# KiCad board Si5351ABreakout_panel.kicad_pcb
title: Si5351A Breakout; date: 10 Oct 2015; rev: A; company: Etherkit; note: Creative Commons Licence CC-BY-SA
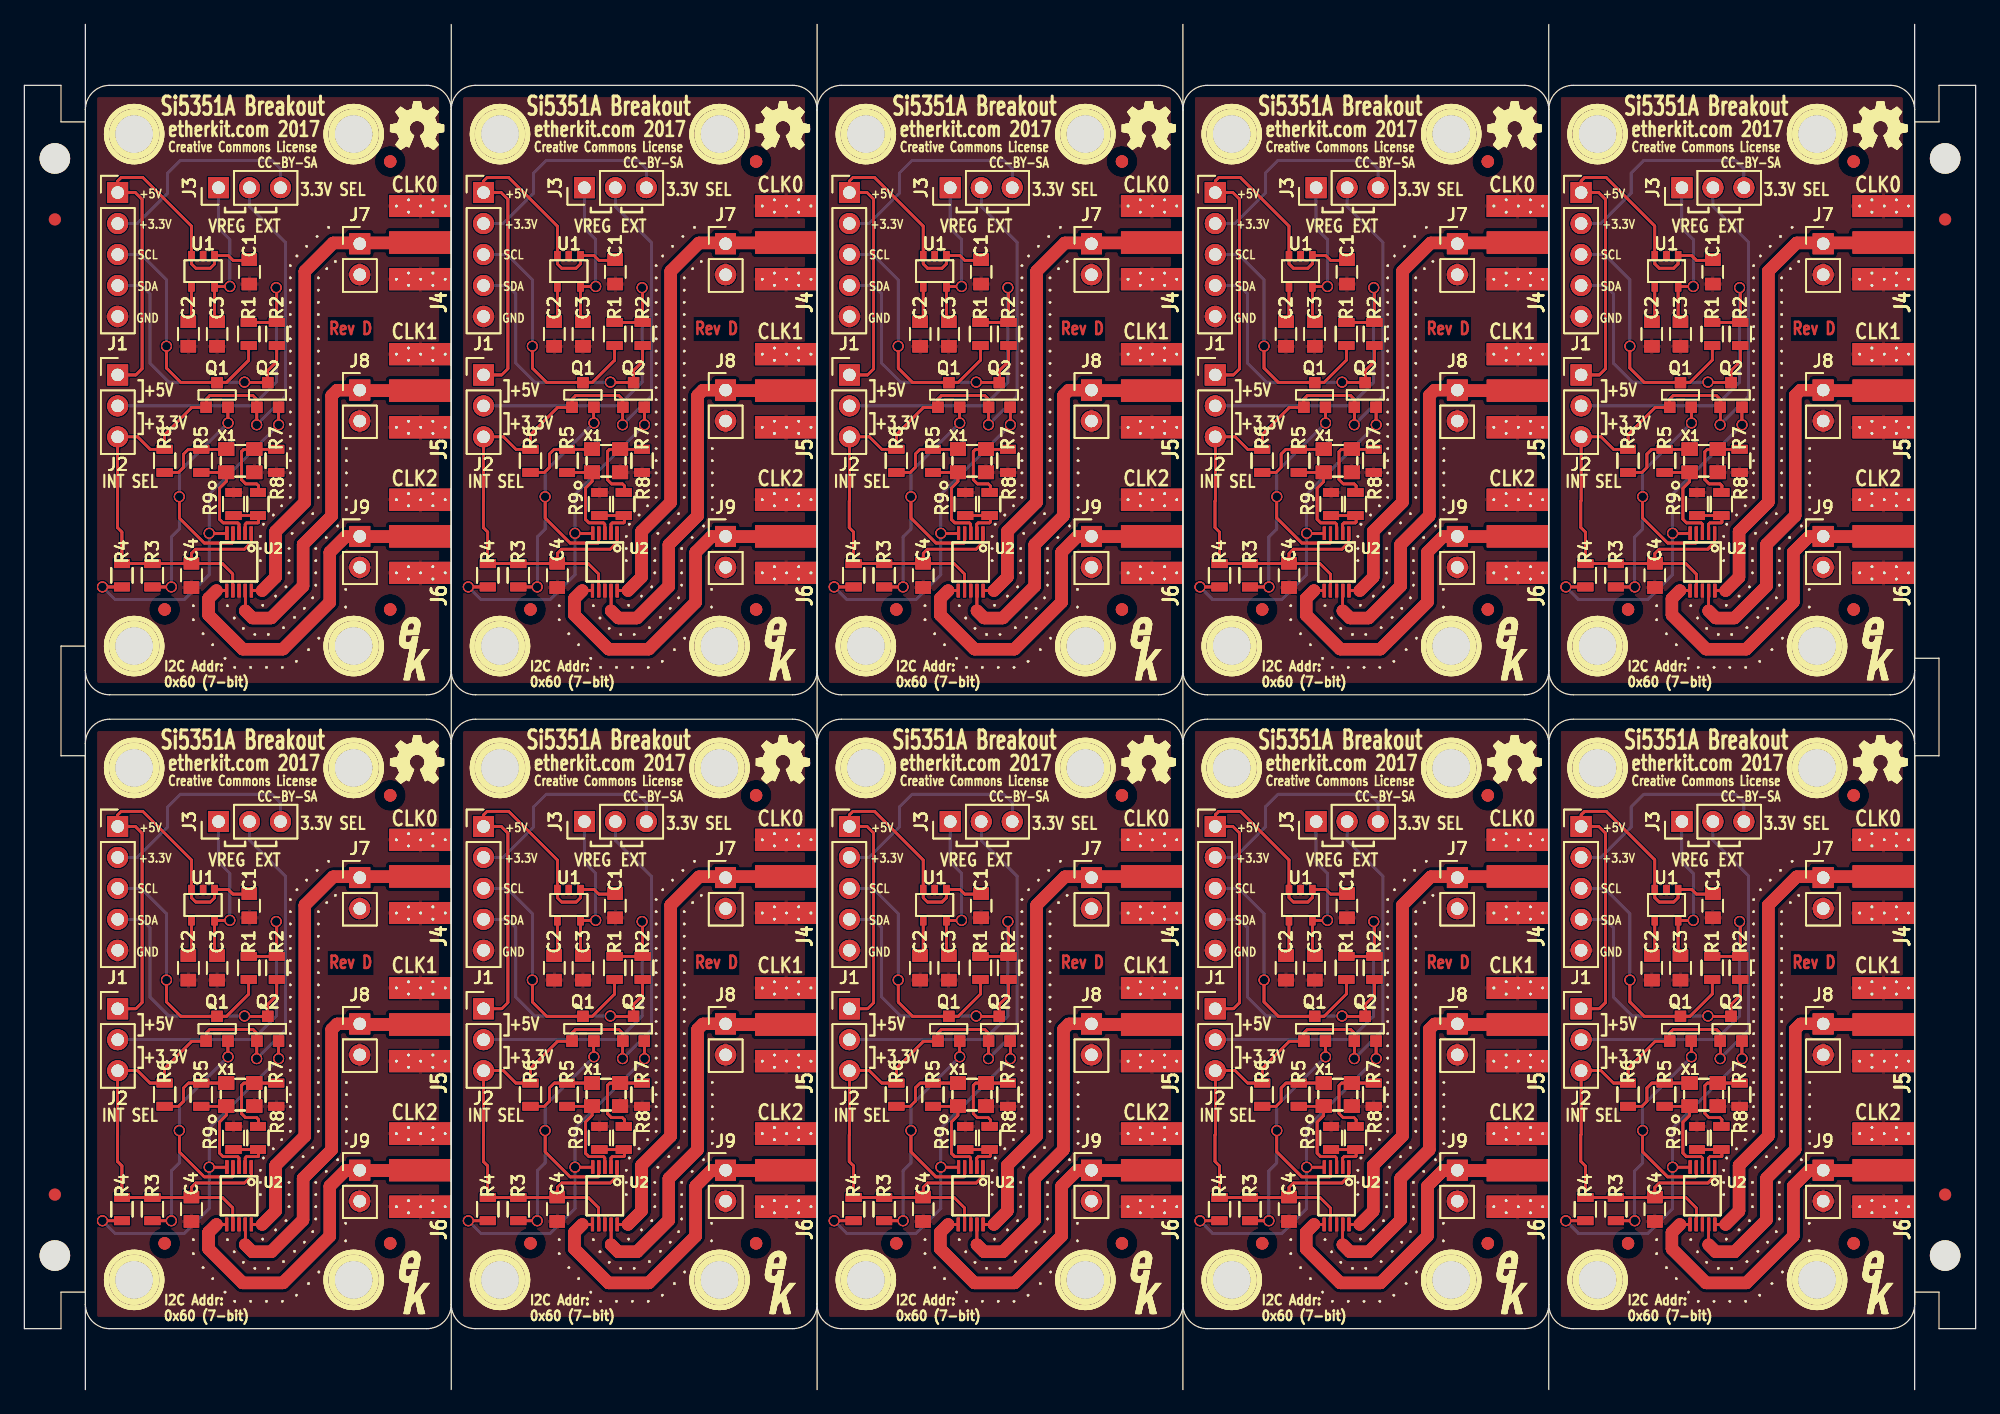
[diagram p0: board, top side]
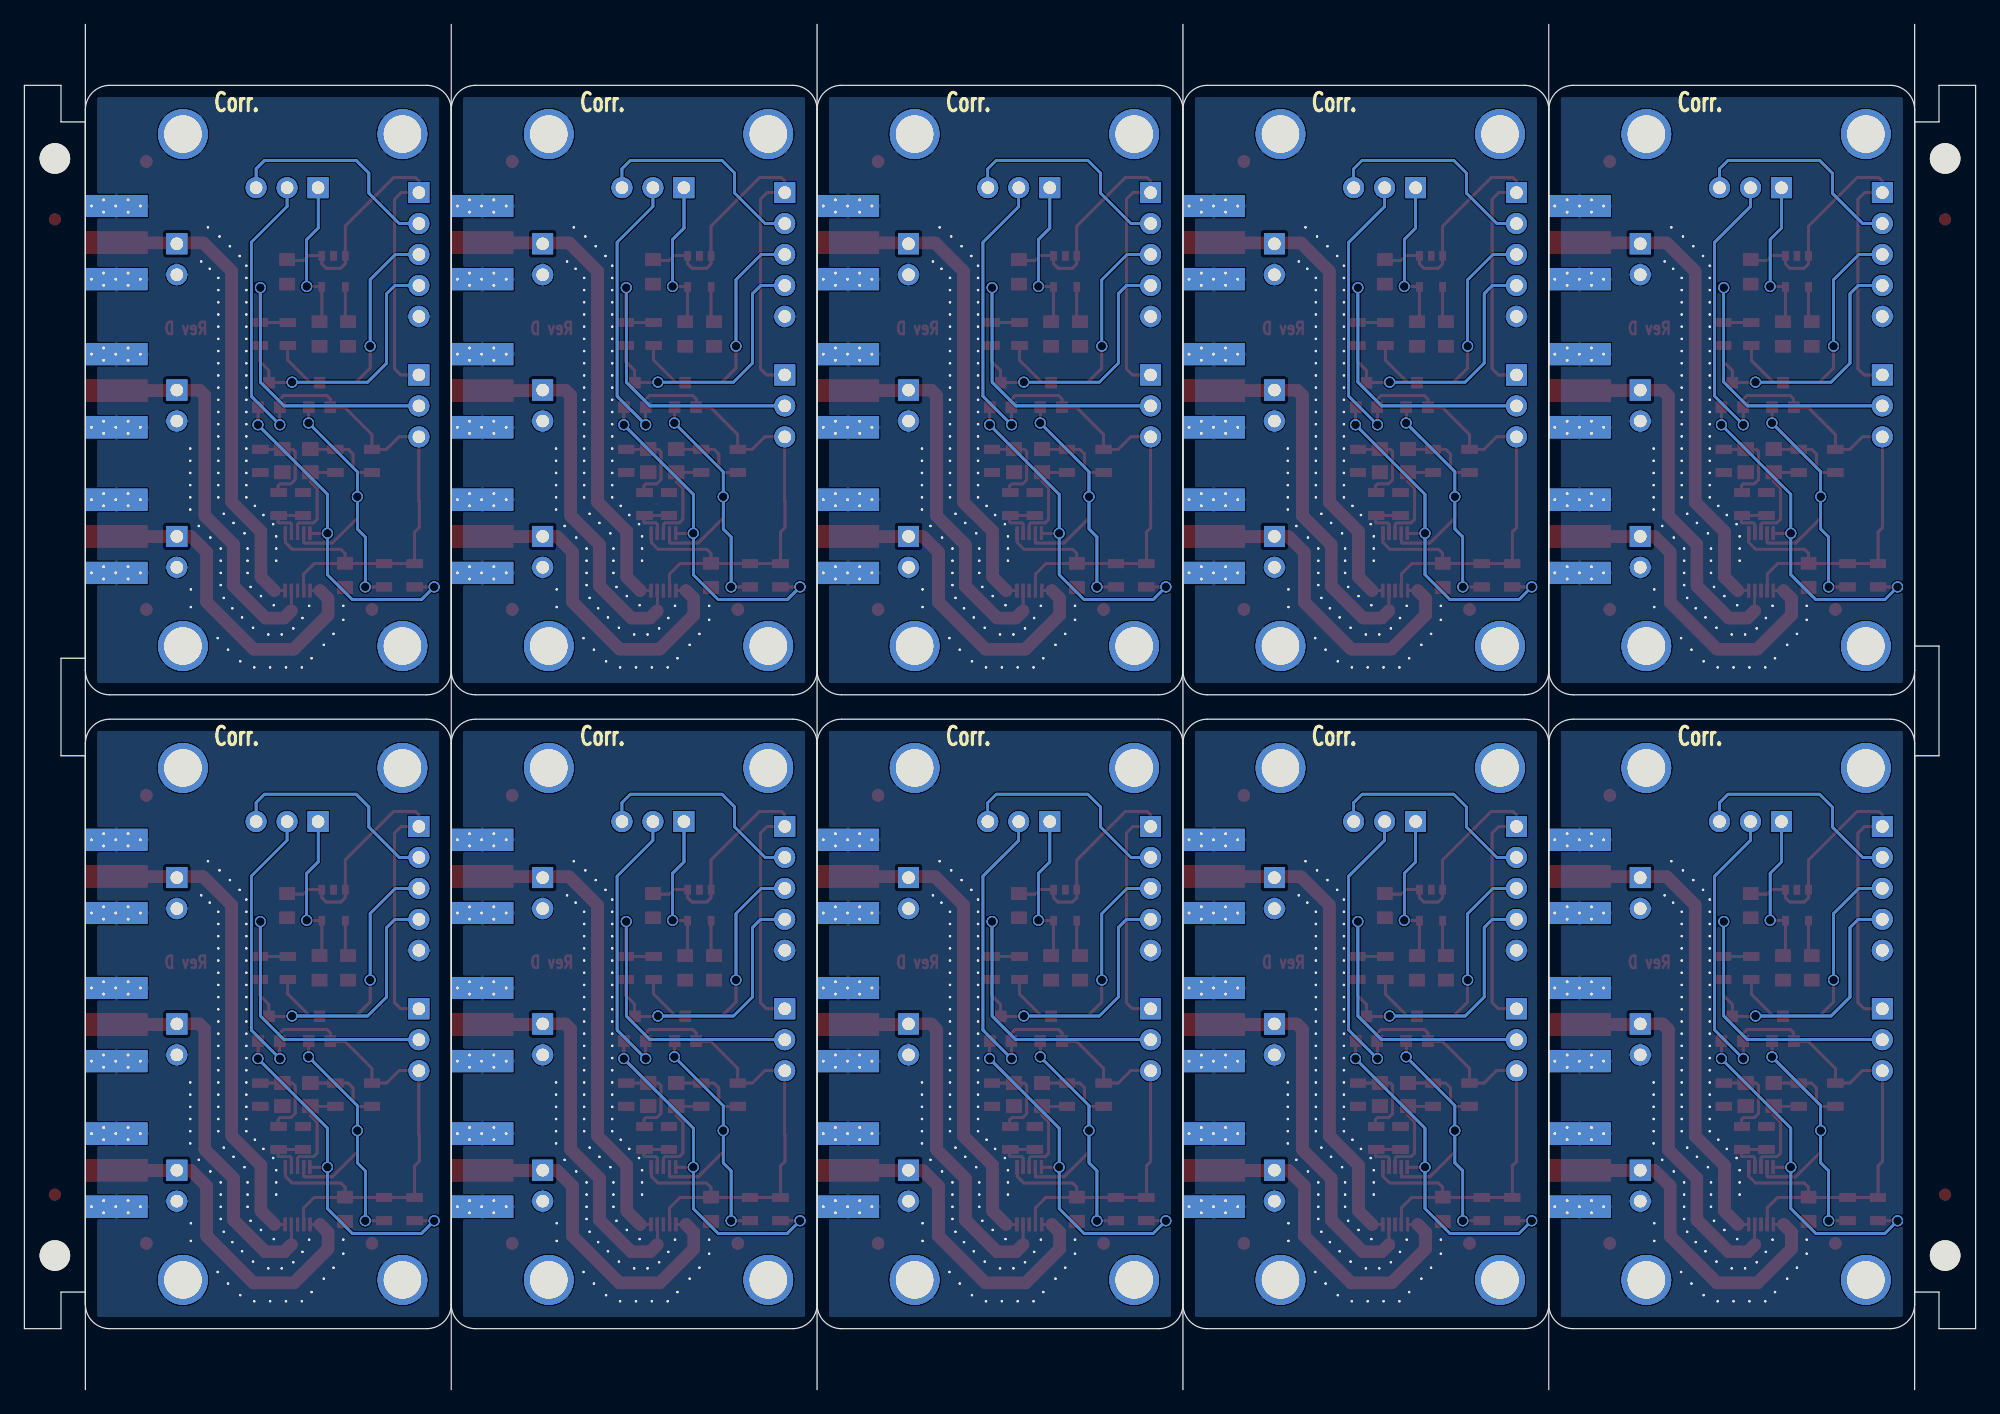
[diagram p1: board, bottom side, seen from below]

Outline 160 x 112 mm; copper layers: Top, Bottom. Coordinates in mm from the lower left corner of the outline.
Outline path: 5,112 5,0 ; 35,105 arc(34.41,106.41) 33,107 7,107 arc(5.59,106.41) 5,105 5,59 arc(5.59,57.59) 7,57 33,57 arc(34.41,57.59) 35,59 ; 35,105 35,59 ; 35,105 arc(35.59,106.41) 37,107 63,107 arc(64.41,106.41) 65,105 ; 35,105 35,59 ; 35,53 arc(34.41,54.41) 33,55 7,55 arc(5.59,54.41) 5,53 5,7 arc(5.59,5.59) 7,5 33,5 arc(34.41,5.59) 35,7 ; 35,53 35,7 ; 35,53 arc(35.59,54.41) 37,55 63,55 arc(64.41,54.41) 65,53 ; 35,53 35,7 ; 35,112 35,0 ; 35,59 arc(35.59,57.59) 37,57 63,57 arc(64.41,57.59) 65,59 ; 35,7 arc(35.59,5.59) 37,5 63,5 arc(64.41,5.59) 65,7 ; 65,105 65,59 ; 65,105 arc(65.59,106.41) 67,107 93,107 arc(94.41,106.41) 95,105 ; 65,105 65,59 ; 65,53 65,7 ; 65,53 arc(65.59,54.41) 67,55 93,55 arc(94.41,54.41) 95,53 ; 65,53 65,7 ; 65,59 arc(65.59,57.59) 67,57 93,57 arc(94.41,57.59) 95,59 ; 65,7 arc(65.59,5.59) 67,5 93,5 arc(94.41,5.59) 95,7 ; 65,0 65,112 ; 95,105 95,59 ; 95,105 arc(95.59,106.41) 97,107 123,107 arc(124.41,106.41) 125,105 ; 95,105 95,59 ; 95,53 95,7 ; 95,53 arc(95.59,54.41) 97,55 123,55 arc(124.41,54.41) 125,53 ; 95,53 95,7 ; 95,112 95,0 ; 95,59 arc(95.59,57.59) 97,57 123,57 arc(124.41,57.59) 125,59 ; 95,7 arc(95.59,5.59) 97,5 123,5 arc(124.41,5.59) 125,7 ; 125,105 125,59 ; 125,105 arc(125.59,106.41) 127,107 153,107 arc(154.41,106.41) 155,105 155,59 arc(154.41,57.59) 153,57 127,57 arc(125.59,57.59) 125,59 ; 125,105 125,59 ; 125,53 125,7 ; 125,53 arc(125.59,54.41) 127,55 153,55 arc(154.41,54.41) 155,53 155,7 ; 125,53 125,7 ; 125,7 arc(125.59,5.59) 127,5 153,5 arc(154.41,5.59) 155,7 ; 125,0 125,112 ; 155,112 155,0 ; 155,7 155,52 157,52 157,60 155,60 155,104 157,104 157,107 160,107 160,5 157,5 157,8 155,8 ; 0,107 0,5 3,5 3,8 5,8 5,52 3,52 3,61 5,61 5,104 3,104 3,107 0,107

## Placement (name value [footprint] x y rotation side)
1PIN  P***  [MOUNTINGHOLE]  9 103 0 top
1PIN#2  P***  [MOUNTINGHOLE]  39 103 0 top
1PIN#3  P***  [MOUNTINGHOLE]  69 103 0 top
1PIN#4  P***  [MOUNTINGHOLE]  99 103 0 top
1PIN#5  P***  [MOUNTINGHOLE]  129 103 0 top
1PIN#6  P***  [MOUNTINGHOLE]  27 103 0 top
1PIN#7  P***  [MOUNTINGHOLE]  57 103 0 top
1PIN#8  P***  [MOUNTINGHOLE]  87 103 0 top
1PIN#9  P***  [MOUNTINGHOLE]  117 103 0 top
1PIN#10  P***  [MOUNTINGHOLE]  147 103 0 top
1PIN#11  P***  [MOUNTINGHOLE]  9 61 0 top
1PIN#12  P***  [MOUNTINGHOLE]  39 61 0 top
1PIN#13  P***  [MOUNTINGHOLE]  69 61 0 top
1PIN#14  P***  [MOUNTINGHOLE]  99 61 0 top
1PIN#15  P***  [MOUNTINGHOLE]  129 61 0 top
1PIN#16  P***  [MOUNTINGHOLE]  27 61 0 top
1PIN#17  P***  [MOUNTINGHOLE]  57 61 0 top
1PIN#18  P***  [MOUNTINGHOLE]  87 61 0 top
1PIN#19  P***  [MOUNTINGHOLE]  117 61 0 top
1PIN#20  P***  [MOUNTINGHOLE]  147 61 0 top
1PIN#21  P***  [MOUNTINGHOLE]  27 61 0 top
1PIN#22  P***  [MOUNTINGHOLE]  9 61 0 top
1PIN#23  P***  [MOUNTINGHOLE]  27 103 0 top
1PIN#24  P***  [MOUNTINGHOLE]  9 103 0 top
1PIN#25  P***  [MOUNTINGHOLE]  57 61 0 top
1PIN#26  P***  [MOUNTINGHOLE]  39 61 0 top
1PIN#27  P***  [MOUNTINGHOLE]  57 103 0 top
1PIN#28  P***  [MOUNTINGHOLE]  39 103 0 top
1PIN#29  P***  [MOUNTINGHOLE]  87 61 0 top
1PIN#30  P***  [MOUNTINGHOLE]  69 61 0 top
1PIN#31  P***  [MOUNTINGHOLE]  87 103 0 top
1PIN#32  P***  [MOUNTINGHOLE]  69 103 0 top
1PIN#33  P***  [MOUNTINGHOLE]  117 61 0 top
1PIN#34  P***  [MOUNTINGHOLE]  99 61 0 top
1PIN#35  P***  [MOUNTINGHOLE]  117 103 0 top
1PIN#36  P***  [MOUNTINGHOLE]  99 103 0 top
1PIN#37  P***  [MOUNTINGHOLE]  147 61 0 top
1PIN#38  P***  [MOUNTINGHOLE]  129 61 0 top
1PIN#39  P***  [MOUNTINGHOLE]  147 103 0 top
1PIN#40  P***  [MOUNTINGHOLE]  129 103 0 top
1PIN#41  P***  [MOUNTINGHOLE]  129 103 0 top
1PIN#42  P***  [MOUNTINGHOLE]  147 103 0 top
1PIN#43  P***  [MOUNTINGHOLE]  129 61 0 top
1PIN#44  P***  [MOUNTINGHOLE]  147 61 0 top
1PIN#45  P***  [MOUNTINGHOLE]  99 103 0 top
1PIN#46  P***  [MOUNTINGHOLE]  117 103 0 top
1PIN#47  P***  [MOUNTINGHOLE]  99 61 0 top
1PIN#48  P***  [MOUNTINGHOLE]  117 61 0 top
1PIN#49  P***  [MOUNTINGHOLE]  69 103 0 top
1PIN#50  P***  [MOUNTINGHOLE]  87 103 0 top
1PIN#51  P***  [MOUNTINGHOLE]  69 61 0 top
1PIN#52  P***  [MOUNTINGHOLE]  87 61 0 top
1PIN#53  P***  [MOUNTINGHOLE]  39 103 0 top
1PIN#54  P***  [MOUNTINGHOLE]  57 103 0 top
1PIN#55  P***  [MOUNTINGHOLE]  39 61 0 top
1PIN#56  P***  [MOUNTINGHOLE]  57 61 0 top
1PIN#57  P***  [MOUNTINGHOLE]  9 103 0 top
1PIN#58  P***  [MOUNTINGHOLE]  27 103 0 top
1PIN#59  P***  [MOUNTINGHOLE]  9 61 0 top
1PIN#60  P***  [MOUNTINGHOLE]  27 61 0 top
1PIN#61  P***  [MOUNTINGHOLE]  27 61 0 top
1PIN#62  P***  [MOUNTINGHOLE]  9 61 0 top
1PIN#63  P***  [MOUNTINGHOLE]  27 103 0 top
1PIN#64  P***  [MOUNTINGHOLE]  9 103 0 top
1PIN#65  P***  [MOUNTINGHOLE]  57 61 0 top
1PIN#66  P***  [MOUNTINGHOLE]  39 61 0 top
1PIN#67  P***  [MOUNTINGHOLE]  57 103 0 top
1PIN#68  P***  [MOUNTINGHOLE]  39 103 0 top
1PIN#69  P***  [MOUNTINGHOLE]  87 61 0 top
1PIN#70  P***  [MOUNTINGHOLE]  69 61 0 top
1PIN#71  P***  [MOUNTINGHOLE]  87 103 0 top
1PIN#72  P***  [MOUNTINGHOLE]  69 103 0 top
1PIN#73  P***  [MOUNTINGHOLE]  117 61 0 top
1PIN#74  P***  [MOUNTINGHOLE]  99 61 0 top
1PIN#75  P***  [MOUNTINGHOLE]  117 103 0 top
1PIN#76  P***  [MOUNTINGHOLE]  99 103 0 top
1PIN#77  P***  [MOUNTINGHOLE]  147 61 0 top
1PIN#78  P***  [MOUNTINGHOLE]  129 61 0 top
1PIN#79  P***  [MOUNTINGHOLE]  147 103 0 top
1PIN#80  P***  [MOUNTINGHOLE]  129 103 0 top
1PIN#81  P***  [MOUNTINGHOLE]  57 9 0 top
1PIN#82  P***  [MOUNTINGHOLE]  57 9 0 top
1PIN#83  P***  [MOUNTINGHOLE]  57 9 0 top
1PIN#84  P***  [MOUNTINGHOLE]  57 9 0 top
1PIN#85  P***  [MOUNTINGHOLE]  69 9 0 top
1PIN#86  P***  [MOUNTINGHOLE]  69 9 0 top
1PIN#87  P***  [MOUNTINGHOLE]  69 9 0 top
1PIN#88  P***  [MOUNTINGHOLE]  69 9 0 top
1PIN#89  P***  [MOUNTINGHOLE]  9 51 0 top
1PIN#90  P***  [MOUNTINGHOLE]  9 51 0 top
1PIN#91  P***  [MOUNTINGHOLE]  9 51 0 top
1PIN#92  P***  [MOUNTINGHOLE]  9 51 0 top
1PIN#93  P***  [MOUNTINGHOLE]  27 51 0 top
1PIN#94  P***  [MOUNTINGHOLE]  27 51 0 top
1PIN#95  P***  [MOUNTINGHOLE]  27 51 0 top
1PIN#96  P***  [MOUNTINGHOLE]  27 51 0 top
1PIN#97  P***  [MOUNTINGHOLE]  39 51 0 top
1PIN#98  P***  [MOUNTINGHOLE]  39 51 0 top
1PIN#99  P***  [MOUNTINGHOLE]  39 51 0 top
1PIN#100  P***  [MOUNTINGHOLE]  39 51 0 top
1PIN#101  P***  [MOUNTINGHOLE]  39 9 0 top
1PIN#102  P***  [MOUNTINGHOLE]  39 9 0 top
1PIN#103  P***  [MOUNTINGHOLE]  39 9 0 top
1PIN#104  P***  [MOUNTINGHOLE]  39 9 0 top
1PIN#105  P***  [MOUNTINGHOLE]  9 9 0 top
1PIN#106  P***  [MOUNTINGHOLE]  9 9 0 top
1PIN#107  P***  [MOUNTINGHOLE]  9 9 0 top
1PIN#108  P***  [MOUNTINGHOLE]  9 9 0 top
1PIN#109  P***  [MOUNTINGHOLE]  27 9 0 top
1PIN#110  P***  [MOUNTINGHOLE]  27 9 0 top
1PIN#111  P***  [MOUNTINGHOLE]  27 9 0 top
1PIN#112  P***  [MOUNTINGHOLE]  27 9 0 top
1PIN#113  P***  [MOUNTINGHOLE]  69 51 0 top
1PIN#114  P***  [MOUNTINGHOLE]  69 51 0 top
1PIN#115  P***  [MOUNTINGHOLE]  69 51 0 top
1PIN#116  P***  [MOUNTINGHOLE]  69 51 0 top
1PIN#117  P***  [MOUNTINGHOLE]  57 51 0 top
1PIN#118  P***  [MOUNTINGHOLE]  57 51 0 top
1PIN#119  P***  [MOUNTINGHOLE]  57 51 0 top
1PIN#120  P***  [MOUNTINGHOLE]  57 51 0 top
1PIN#121  P***  [MOUNTINGHOLE]  147 51 0 top
1PIN#122  P***  [MOUNTINGHOLE]  147 51 0 top
1PIN#123  P***  [MOUNTINGHOLE]  147 51 0 top
1PIN#124  P***  [MOUNTINGHOLE]  147 51 0 top
1PIN#125  P***  [MOUNTINGHOLE]  129 51 0 top
1PIN#126  P***  [MOUNTINGHOLE]  129 51 0 top
1PIN#127  P***  [MOUNTINGHOLE]  129 51 0 top
1PIN#128  P***  [MOUNTINGHOLE]  129 51 0 top
1PIN#129  P***  [MOUNTINGHOLE]  117 51 0 top
1PIN#130  P***  [MOUNTINGHOLE]  117 51 0 top
1PIN#131  P***  [MOUNTINGHOLE]  117 51 0 top
1PIN#132  P***  [MOUNTINGHOLE]  117 51 0 top
1PIN#133  P***  [MOUNTINGHOLE]  99 9 0 top
1PIN#134  P***  [MOUNTINGHOLE]  99 9 0 top
1PIN#135  P***  [MOUNTINGHOLE]  99 9 0 top
1PIN#136  P***  [MOUNTINGHOLE]  99 9 0 top
1PIN#137  P***  [MOUNTINGHOLE]  87 51 0 top
1PIN#138  P***  [MOUNTINGHOLE]  87 51 0 top
1PIN#139  P***  [MOUNTINGHOLE]  87 51 0 top
1PIN#140  P***  [MOUNTINGHOLE]  87 51 0 top
1PIN#141  P***  [MOUNTINGHOLE]  99 51 0 top
1PIN#142  P***  [MOUNTINGHOLE]  99 51 0 top
1PIN#143  P***  [MOUNTINGHOLE]  99 51 0 top
1PIN#144  P***  [MOUNTINGHOLE]  99 51 0 top
1PIN#145  P***  [MOUNTINGHOLE]  147 9 0 top
1PIN#146  P***  [MOUNTINGHOLE]  147 9 0 top
1PIN#147  P***  [MOUNTINGHOLE]  147 9 0 top
1PIN#148  P***  [MOUNTINGHOLE]  147 9 0 top
1PIN#149  P***  [MOUNTINGHOLE]  129 9 0 top
1PIN#150  P***  [MOUNTINGHOLE]  129 9 0 top
1PIN#151  P***  [MOUNTINGHOLE]  129 9 0 top
1PIN#152  P***  [MOUNTINGHOLE]  129 9 0 top
1PIN#153  P***  [MOUNTINGHOLE]  117 9 0 top
1PIN#154  P***  [MOUNTINGHOLE]  117 9 0 top
1PIN#155  P***  [MOUNTINGHOLE]  117 9 0 top
1PIN#156  P***  [MOUNTINGHOLE]  117 9 0 top
1PIN#157  P***  [MOUNTINGHOLE]  87 9 0 top
1PIN#158  P***  [MOUNTINGHOLE]  87 9 0 top
1PIN#159  P***  [MOUNTINGHOLE]  87 9 0 top
1PIN#160  P***  [MOUNTINGHOLE]  87 9 0 top
C1  1u MLCC  [C_0805]  18.45 91.7 270 top
C1#2  1u MLCC  [C_0805]  48.45 91.7 270 top
C1#3  1u MLCC  [C_0805]  78.45 91.7 270 top
C1#4  1u MLCC  [C_0805]  108.45 91.7 270 top
C1#5  1u MLCC  [C_0805]  138.45 91.7 270 top
C1#6  1u MLCC  [C_0805]  18.45 91.7 270 top
C1#7  1u MLCC  [C_0805]  48.45 91.7 270 top
C1#8  1u MLCC  [C_0805]  78.45 91.7 270 top
C1#9  1u MLCC  [C_0805]  108.45 91.7 270 top
C1#10  1u MLCC  [C_0805]  138.45 91.7 270 top
C1#11  1u MLCC  [C_0805]  138.45 91.7 270 top
C1#12  1u MLCC  [C_0805]  108.45 91.7 270 top
C1#13  1u MLCC  [C_0805]  78.45 91.7 270 top
C1#14  1u MLCC  [C_0805]  48.45 91.7 270 top
C1#15  1u MLCC  [C_0805]  18.45 91.7 270 top
C1#16  1u MLCC  [C_0805]  18.45 91.7 270 top
C1#17  1u MLCC  [C_0805]  48.45 91.7 270 top
C1#18  1u MLCC  [C_0805]  78.45 91.7 270 top
C1#19  1u MLCC  [C_0805]  108.45 91.7 270 top
C1#20  1u MLCC  [C_0805]  138.45 91.7 270 top
C1#21  1u MLCC  [C_0805]  18.45 39.7 270 top
C1#22  1u MLCC  [C_0805]  18.45 39.7 270 top
C1#23  1u MLCC  [C_0805]  18.45 39.7 270 top
C1#24  1u MLCC  [C_0805]  18.45 39.7 270 top
C1#25  1u MLCC  [C_0805]  78.45 39.7 270 top
C1#26  1u MLCC  [C_0805]  78.45 39.7 270 top
C1#27  1u MLCC  [C_0805]  78.45 39.7 270 top
C1#28  1u MLCC  [C_0805]  78.45 39.7 270 top
C1#29  1u MLCC  [C_0805]  48.45 39.7 270 top
C1#30  1u MLCC  [C_0805]  48.45 39.7 270 top
C1#31  1u MLCC  [C_0805]  48.45 39.7 270 top
C1#32  1u MLCC  [C_0805]  48.45 39.7 270 top
C1#33  1u MLCC  [C_0805]  138.45 39.7 270 top
C1#34  1u MLCC  [C_0805]  138.45 39.7 270 top
C1#35  1u MLCC  [C_0805]  138.45 39.7 270 top
C1#36  1u MLCC  [C_0805]  138.45 39.7 270 top
C1#37  1u MLCC  [C_0805]  108.45 39.7 270 top
C1#38  1u MLCC  [C_0805]  108.45 39.7 270 top
C1#39  1u MLCC  [C_0805]  108.45 39.7 270 top
C1#40  1u MLCC  [C_0805]  108.45 39.7 270 top
C2  100n  [C_0805]  13.45 86.6 270 top
C2#2  100n  [C_0805]  43.45 86.6 270 top
C2#3  100n  [C_0805]  73.45 86.6 270 top
C2#4  100n  [C_0805]  103.45 86.6 270 top
C2#5  100n  [C_0805]  133.45 86.6 270 top
C2#6  100n  [C_0805]  13.45 86.6 270 top
C2#7  100n  [C_0805]  43.45 86.6 270 top
C2#8  100n  [C_0805]  73.45 86.6 270 top
C2#9  100n  [C_0805]  103.45 86.6 270 top
C2#10  100n  [C_0805]  133.45 86.6 270 top
C2#11  100n  [C_0805]  133.45 86.6 270 top
C2#12  100n  [C_0805]  103.45 86.6 270 top
C2#13  100n  [C_0805]  73.45 86.6 270 top
C2#14  100n  [C_0805]  43.45 86.6 270 top
C2#15  100n  [C_0805]  13.45 86.6 270 top
C2#16  100n  [C_0805]  13.45 86.6 270 top
C2#17  100n  [C_0805]  43.45 86.6 270 top
C2#18  100n  [C_0805]  73.45 86.6 270 top
C2#19  100n  [C_0805]  103.45 86.6 270 top
C2#20  100n  [C_0805]  133.45 86.6 270 top
C2#21  100n  [C_0805]  13.45 34.6 270 top
C2#22  100n  [C_0805]  13.45 34.6 270 top
C2#23  100n  [C_0805]  13.45 34.6 270 top
C2#24  100n  [C_0805]  13.45 34.6 270 top
C2#25  100n  [C_0805]  73.45 34.6 270 top
C2#26  100n  [C_0805]  73.45 34.6 270 top
C2#27  100n  [C_0805]  73.45 34.6 270 top
C2#28  100n  [C_0805]  73.45 34.6 270 top
C2#29  100n  [C_0805]  43.45 34.6 270 top
C2#30  100n  [C_0805]  43.45 34.6 270 top
C2#31  100n  [C_0805]  43.45 34.6 270 top
C2#32  100n  [C_0805]  43.45 34.6 270 top
C2#33  100n  [C_0805]  103.45 34.6 270 top
C2#34  100n  [C_0805]  103.45 34.6 270 top
C2#35  100n  [C_0805]  103.45 34.6 270 top
C2#36  100n  [C_0805]  103.45 34.6 270 top
C2#37  100n  [C_0805]  133.45 34.6 270 top
C2#38  100n  [C_0805]  133.45 34.6 270 top
C2#39  100n  [C_0805]  133.45 34.6 270 top
C2#40  100n  [C_0805]  133.45 34.6 270 top
C3  4.7u MLCC  [C_0805]  15.8 86.6 270 top
C3#2  4.7u MLCC  [C_0805]  45.8 86.6 270 top
C3#3  4.7u MLCC  [C_0805]  75.8 86.6 270 top
C3#4  4.7u MLCC  [C_0805]  105.8 86.6 270 top
C3#5  4.7u MLCC  [C_0805]  135.8 86.6 270 top
C3#6  4.7u MLCC  [C_0805]  15.8 86.6 270 top
C3#7  4.7u MLCC  [C_0805]  45.8 86.6 270 top
C3#8  4.7u MLCC  [C_0805]  75.8 86.6 270 top
C3#9  4.7u MLCC  [C_0805]  105.8 86.6 270 top
C3#10  4.7u MLCC  [C_0805]  135.8 86.6 270 top
C3#11  4.7u MLCC  [C_0805]  135.8 86.6 270 top
C3#12  4.7u MLCC  [C_0805]  105.8 86.6 270 top
C3#13  4.7u MLCC  [C_0805]  75.8 86.6 270 top
C3#14  4.7u MLCC  [C_0805]  45.8 86.6 270 top
C3#15  4.7u MLCC  [C_0805]  15.8 86.6 270 top
C3#16  4.7u MLCC  [C_0805]  15.8 86.6 270 top
C3#17  4.7u MLCC  [C_0805]  45.8 86.6 270 top
C3#18  4.7u MLCC  [C_0805]  75.8 86.6 270 top
C3#19  4.7u MLCC  [C_0805]  105.8 86.6 270 top
C3#20  4.7u MLCC  [C_0805]  135.8 86.6 270 top
C3#21  4.7u MLCC  [C_0805]  15.8 34.6 270 top
C3#22  4.7u MLCC  [C_0805]  15.8 34.6 270 top
C3#23  4.7u MLCC  [C_0805]  15.8 34.6 270 top
C3#24  4.7u MLCC  [C_0805]  15.8 34.6 270 top
C3#25  4.7u MLCC  [C_0805]  75.8 34.6 270 top
C3#26  4.7u MLCC  [C_0805]  75.8 34.6 270 top
C3#27  4.7u MLCC  [C_0805]  75.8 34.6 270 top
C3#28  4.7u MLCC  [C_0805]  75.8 34.6 270 top
C3#29  4.7u MLCC  [C_0805]  45.8 34.6 270 top
C3#30  4.7u MLCC  [C_0805]  45.8 34.6 270 top
C3#31  4.7u MLCC  [C_0805]  45.8 34.6 270 top
C3#32  4.7u MLCC  [C_0805]  45.8 34.6 270 top
C3#33  4.7u MLCC  [C_0805]  105.8 34.6 270 top
C3#34  4.7u MLCC  [C_0805]  105.8 34.6 270 top
C3#35  4.7u MLCC  [C_0805]  105.8 34.6 270 top
C3#36  4.7u MLCC  [C_0805]  105.8 34.6 270 top
C3#37  4.7u MLCC  [C_0805]  135.8 34.6 270 top
C3#38  4.7u MLCC  [C_0805]  135.8 34.6 270 top
C3#39  4.7u MLCC  [C_0805]  135.8 34.6 270 top
C3#40  4.7u MLCC  [C_0805]  135.8 34.6 270 top
C4  100n  [C_0805]  13.7 66.8 270 top
C4#2  100n  [C_0805]  43.7 66.8 270 top
C4#3  100n  [C_0805]  73.7 66.8 270 top
C4#4  100n  [C_0805]  103.7 66.8 270 top
C4#5  100n  [C_0805]  133.7 66.8 270 top
C4#6  100n  [C_0805]  13.7 66.8 270 top
C4#7  100n  [C_0805]  43.7 66.8 270 top
C4#8  100n  [C_0805]  73.7 66.8 270 top
C4#9  100n  [C_0805]  103.7 66.8 270 top
C4#10  100n  [C_0805]  133.7 66.8 270 top
C4#11  100n  [C_0805]  133.7 66.8 270 top
C4#12  100n  [C_0805]  103.7 66.8 270 top
C4#13  100n  [C_0805]  73.7 66.8 270 top
C4#14  100n  [C_0805]  43.7 66.8 270 top
C4#15  100n  [C_0805]  13.7 66.8 270 top
C4#16  100n  [C_0805]  13.7 66.8 270 top
C4#17  100n  [C_0805]  43.7 66.8 270 top
C4#18  100n  [C_0805]  73.7 66.8 270 top
C4#19  100n  [C_0805]  103.7 66.8 270 top
C4#20  100n  [C_0805]  133.7 66.8 270 top
C4#21  100n  [C_0805]  73.7 14.8 270 top
C4#22  100n  [C_0805]  73.7 14.8 270 top
C4#23  100n  [C_0805]  73.7 14.8 270 top
C4#24  100n  [C_0805]  73.7 14.8 270 top
C4#25  100n  [C_0805]  43.7 14.8 270 top
C4#26  100n  [C_0805]  43.7 14.8 270 top
C4#27  100n  [C_0805]  43.7 14.8 270 top
C4#28  100n  [C_0805]  43.7 14.8 270 top
C4#29  100n  [C_0805]  13.7 14.8 270 top
C4#30  100n  [C_0805]  13.7 14.8 270 top
C4#31  100n  [C_0805]  13.7 14.8 270 top
C4#32  100n  [C_0805]  13.7 14.8 270 top
C4#33  100n  [C_0805]  103.7 14.8 270 top
C4#34  100n  [C_0805]  103.7 14.8 270 top
C4#35  100n  [C_0805]  103.7 14.8 270 top
C4#36  100n  [C_0805]  103.7 14.8 270 top
C4#37  100n  [C_0805]  133.7 14.8 270 top
C4#38  100n  [C_0805]  133.7 14.8 270 top
C4#39  100n  [C_0805]  133.7 14.8 270 top
C4#40  100n  [C_0805]  133.7 14.8 270 top
G***  LOGO  [OSHWLogo4mm]  32.2 103.7 0 top
G***#2  LOGO  [OSHWLogo4mm]  62.2 103.7 0 top
G***#3  LOGO  [OSHWLogo4mm]  92.2 103.7 0 top
G***#4  LOGO  [OSHWLogo4mm]  122.2 103.7 0 top
G***#5  LOGO  [OSHWLogo4mm]  152.2 103.7 0 top
G***#6  LOGO  [OSHWLogo4mm]  32.2 103.7 0 top
G***#7  LOGO  [OSHWLogo4mm]  62.2 103.7 0 top
G***#8  LOGO  [OSHWLogo4mm]  92.2 103.7 0 top
G***#9  LOGO  [OSHWLogo4mm]  122.2 103.7 0 top
G***#10  LOGO  [OSHWLogo4mm]  152.2 103.7 0 top
G***#11  LOGO  [OSHWLogo4mm]  152.2 103.7 0 top
G***#12  LOGO  [OSHWLogo4mm]  122.2 103.7 0 top
G***#13  LOGO  [OSHWLogo4mm]  92.2 103.7 0 top
G***#14  LOGO  [OSHWLogo4mm]  62.2 103.7 0 top
G***#15  LOGO  [OSHWLogo4mm]  32.2 103.7 0 top
G***#16  LOGO  [OSHWLogo4mm]  32.2 103.7 0 top
G***#17  LOGO  [OSHWLogo4mm]  62.2 103.7 0 top
G***#18  LOGO  [OSHWLogo4mm]  92.2 103.7 0 top
G***#19  LOGO  [OSHWLogo4mm]  122.2 103.7 0 top
G***#20  LOGO  [OSHWLogo4mm]  152.2 103.7 0 top
G***#21  LOGO  [OSHWLogo4mm]  32.2 51.7 0 top
G***#22  LOGO  [OSHWLogo4mm]  32.2 51.7 0 top
G***#23  LOGO  [OSHWLogo4mm]  32.2 51.7 0 top
G***#24  LOGO  [OSHWLogo4mm]  32.2 51.7 0 top
G***#25  LOGO  [OSHWLogo4mm]  62.2 51.7 0 top
G***#26  LOGO  [OSHWLogo4mm]  62.2 51.7 0 top
G***#27  LOGO  [OSHWLogo4mm]  62.2 51.7 0 top
G***#28  LOGO  [OSHWLogo4mm]  62.2 51.7 0 top
G***#29  LOGO  [OSHWLogo4mm]  152.2 51.7 0 top
G***#30  LOGO  [OSHWLogo4mm]  152.2 51.7 0 top
G***#31  LOGO  [OSHWLogo4mm]  152.2 51.7 0 top
G***#32  LOGO  [OSHWLogo4mm]  152.2 51.7 0 top
G***#33  LOGO  [OSHWLogo4mm]  122.2 51.7 0 top
G***#34  LOGO  [OSHWLogo4mm]  122.2 51.7 0 top
G***#35  LOGO  [OSHWLogo4mm]  122.2 51.7 0 top
G***#36  LOGO  [OSHWLogo4mm]  122.2 51.7 0 top
G***#37  LOGO  [OSHWLogo4mm]  92.2 51.7 0 top
G***#38  LOGO  [OSHWLogo4mm]  92.2 51.7 0 top
G***#39  LOGO  [OSHWLogo4mm]  92.2 51.7 0 top
G***#40  LOGO  [OSHWLogo4mm]  92.2 51.7 0 top
J1  Power/Data  [Pin_Header_Straight_1x05_Pitch2.54mm]  7.65 98.2 0 top
J1#2  Power/Data  [Pin_Header_Straight_1x05_Pitch2.54mm]  37.65 98.2 0 top
J1#3  Power/Data  [Pin_Header_Straight_1x05_Pitch2.54mm]  67.65 98.2 0 top
J1#4  Power/Data  [Pin_Header_Straight_1x05_Pitch2.54mm]  97.65 98.2 0 top
J1#5  Power/Data  [Pin_Header_Straight_1x05_Pitch2.54mm]  127.65 98.2 0 top
J1#6  Power/Data  [Pin_Header_Straight_1x05_Pitch2.54mm]  7.65 98.2 0 top
J1#7  Power/Data  [Pin_Header_Straight_1x05_Pitch2.54mm]  37.65 98.2 0 top
J1#8  Power/Data  [Pin_Header_Straight_1x05_Pitch2.54mm]  67.65 98.2 0 top
J1#9  Power/Data  [Pin_Header_Straight_1x05_Pitch2.54mm]  97.65 98.2 0 top
J1#10  Power/Data  [Pin_Header_Straight_1x05_Pitch2.54mm]  127.65 98.2 0 top
J1#11  Power/Data  [Pin_Header_Straight_1x05_Pitch2.54mm]  127.65 98.2 0 top
J1#12  Power/Data  [Pin_Header_Straight_1x05_Pitch2.54mm]  97.65 98.2 0 top
J1#13  Power/Data  [Pin_Header_Straight_1x05_Pitch2.54mm]  67.65 98.2 0 top
J1#14  Power/Data  [Pin_Header_Straight_1x05_Pitch2.54mm]  37.65 98.2 0 top
J1#15  Power/Data  [Pin_Header_Straight_1x05_Pitch2.54mm]  7.65 98.2 0 top
J1#16  Power/Data  [Pin_Header_Straight_1x05_Pitch2.54mm]  7.65 98.2 0 top
J1#17  Power/Data  [Pin_Header_Straight_1x05_Pitch2.54mm]  37.65 98.2 0 top
J1#18  Power/Data  [Pin_Header_Straight_1x05_Pitch2.54mm]  67.65 98.2 0 top
J1#19  Power/Data  [Pin_Header_Straight_1x05_Pitch2.54mm]  97.65 98.2 0 top
J1#20  Power/Data  [Pin_Header_Straight_1x05_Pitch2.54mm]  127.65 98.2 0 top
J1#21  Power/Data  [Pin_Header_Straight_1x05_Pitch2.54mm]  7.65 46.2 0 top
J1#22  Power/Data  [Pin_Header_Straight_1x05_Pitch2.54mm]  7.65 46.2 0 top
J1#23  Power/Data  [Pin_Header_Straight_1x05_Pitch2.54mm]  7.65 46.2 0 top
J1#24  Power/Data  [Pin_Header_Straight_1x05_Pitch2.54mm]  7.65 46.2 0 top
J1#25  Power/Data  [Pin_Header_Straight_1x05_Pitch2.54mm]  37.65 46.2 0 top
J1#26  Power/Data  [Pin_Header_Straight_1x05_Pitch2.54mm]  37.65 46.2 0 top
J1#27  Power/Data  [Pin_Header_Straight_1x05_Pitch2.54mm]  37.65 46.2 0 top